# Altium PCB OR_TM2Space.PcbDoc (part 1 of 2) (continued)
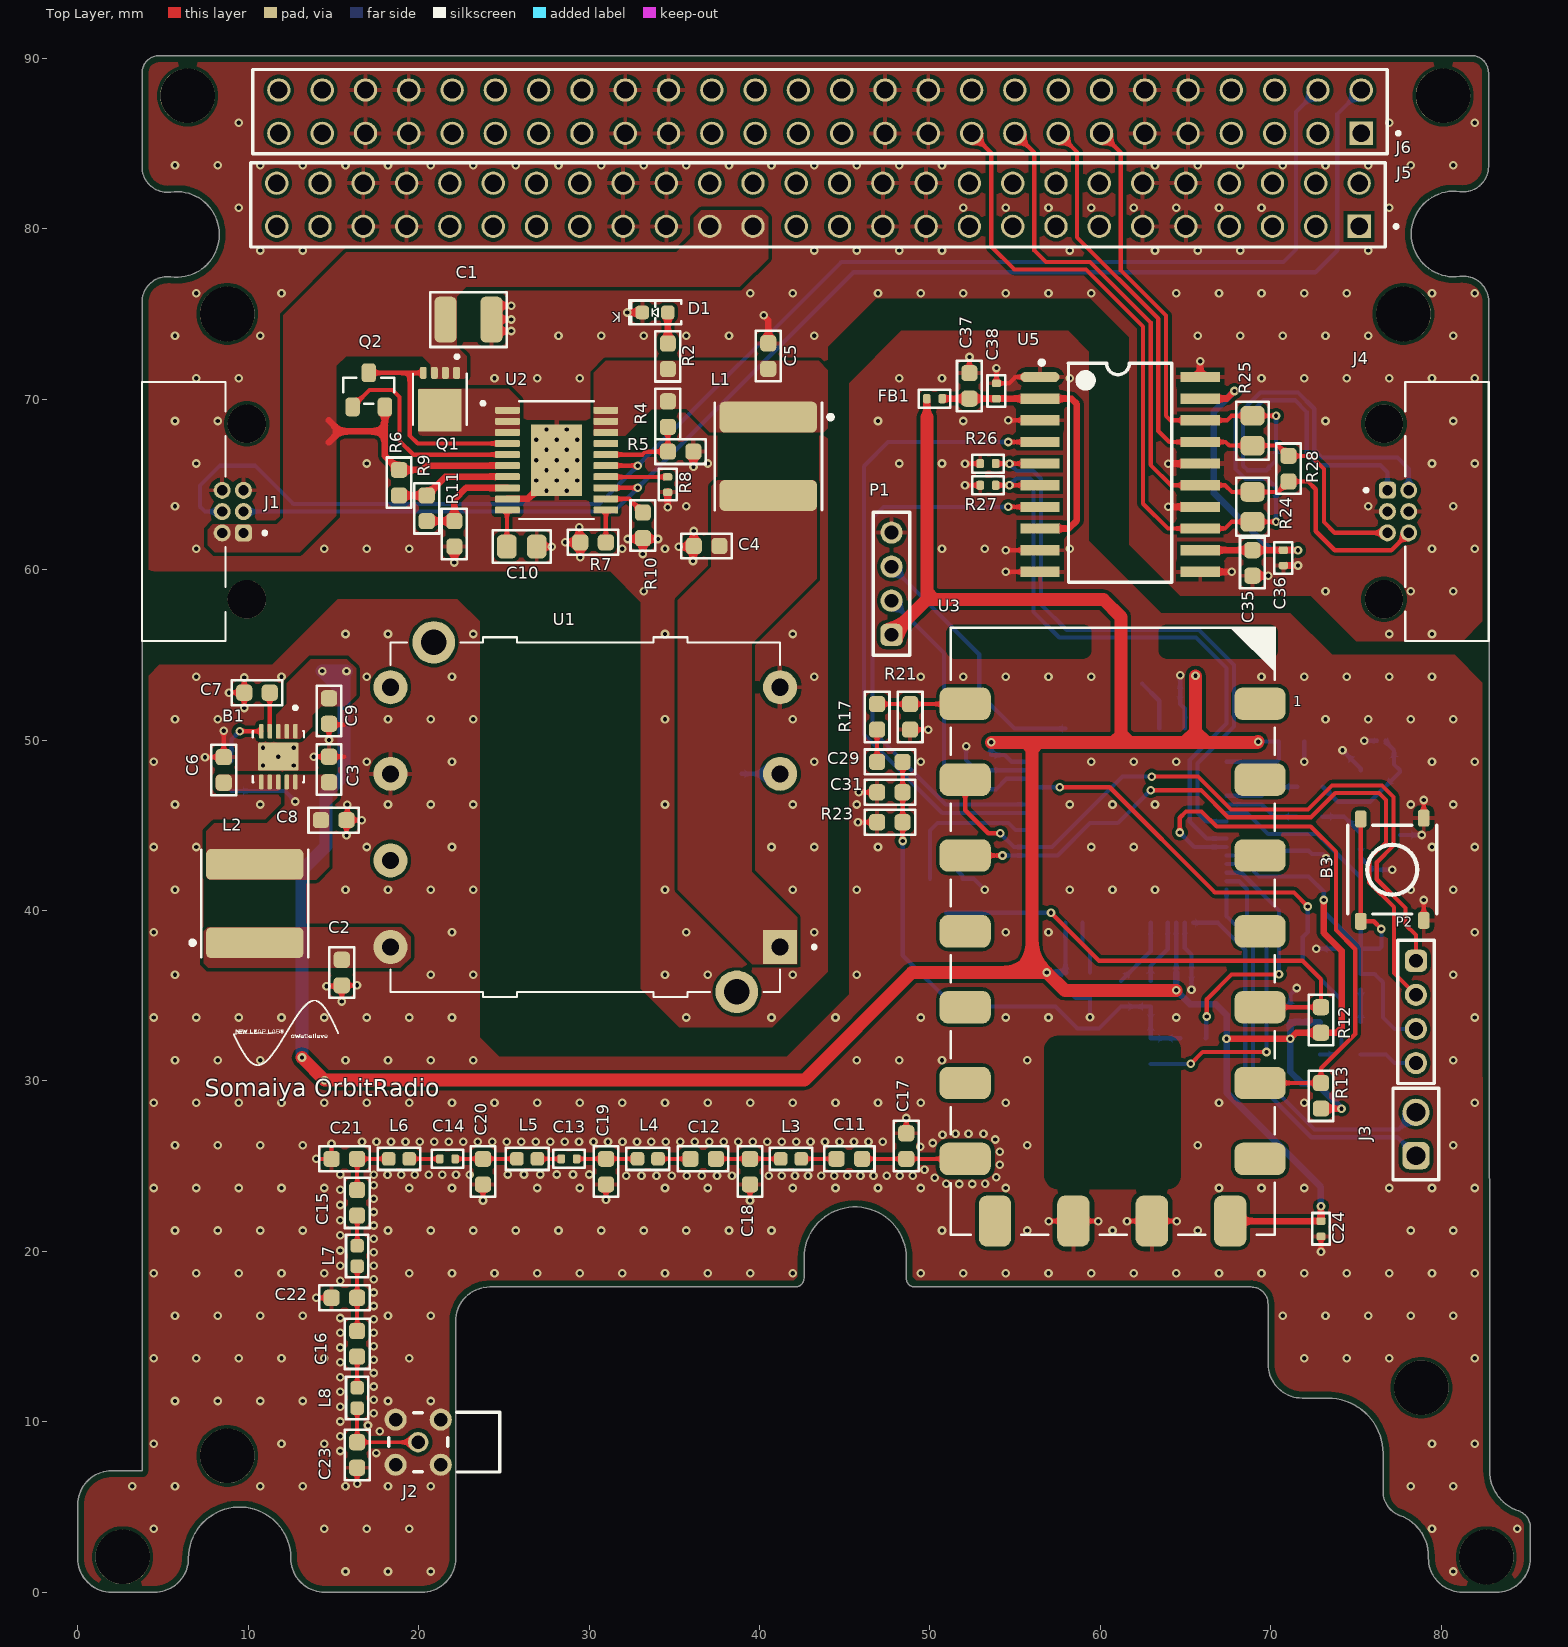
[diagram p0: Top Layer view]
## Part data (continued)
C29: library part GRM188R61E475KE11D, "Capacitor", Manufacturer_Name="Murata Electronics", Mouser Part Number=81-GRM188R61E475KE1D, Arrow Part Number=GRM188R61E475KE11D, Arrow Price/Stock=https://www.arrow.com/en/products/grm188r61e475ke11d/murata-manufacturing?region=nac, Datasheet Link=https://psearch.en.murata.com/capacitor/product/GRM188R61E475KE11%23.html, HEIGHT=0.9mm, Manufacturer_Part_Number=GRM188R61E475KE11D, Mouser Price/Stock=https://www.mouser.co.uk/ProductDetail/Murata-Electronics/GRM188R61E475KE11D?qs=eeBpzGFlv%252B9M0HqzMo%2FgYw%3D%3D
C31: library part C0603C104J5RACAUTO, "Capacitor", Manufacturer_Name=KEMET, Mouser Part Number=80-C0603C104J5RAUTO, Arrow Part Number=C0603C104J5RACAUTO, Arrow Price/Stock=https://www.arrow.com/en/products/c0603c104j5racauto/kemet-corporation?region=europe, Datasheet Link=https://content.kemet.com/datasheets/KEM_C1023_X7R_AUTO_SMD.pdf, HEIGHT=0.87mm, Manufacturer_Part_Number=C0603C104J5RACAUTO, Mouser Price/Stock=https://www.mouser.co.uk/ProductDetail/KEMET/C0603C104J5RACAUTO?qs=XYJIsZbdjSO3ULwa1DwJaA%3D%3D
C35 C37: library part 11868f565c42a9108669ba33697ecf6, "Ceramic Capacitor General Use 1uF ±10% 50V X7R 0603", Case Code (Imperial)=0603, Case Code (Metric)=1608, Dielectric=X7R, Max Operating Temperature=125°C, Min Operating Temperature=-55°C, Package Quantity=1, Tolerance=10%, Voltage Rating=50V, Capacitance=1uF, Case/Package=0603, Construction=Flat, Depth=0.8mm, Halogen Free="Halogen Free", HEIGHT=0.8mm, Length=1.6mm, Mount="Surface Mount", Packaging="Tape and Reel", Radiation Hardening=No, RoHS Compliant=Yes, Series=M, Termination=SMD/SMT, Thickness=0.037inch, Voltage Rating (DC)=50V, Width=0.031inch
C39 C40 C41 C42: library part C0603C101J5GACTU, "100pF Â±5% 50V Ceramic Capacitor C0G, NP0 0603 _1608 Metric_", Package="0603 Kemet", Availability=Unavailable, MF=KEMET, MP=C0603C101J5GACTU, Price=None, SnapEDA_Link=https://www.snapeda.com/parts/C0603C101J5GACTU/KEMET/view-part/281849/?ref=snap
D1: library part LED_0603_RED, "LED 0603 RED SMD"
FB1: library part 5f30dd21d616792df468990f7003faa, "FERRITE BEAD 120 OHM 0805 1LN", Case Code (Imperial)=0805, Case Code (Metric)=2012, Current Rating=800mA, DC Current=200mA, DC Resistance (DCR)=100mR, Frequency=100MHz, Max Current Rating=1A, Max Operating Temperature=125°C, Min Operating Temperature=-55°C, Package Quantity=1, Resistance=150mR, Tolerance=25%, Case/Package=0805, Core Material=Ferrite, DC Resistance-Max=100mR, Depth=1.25mm, HEIGHT=0.85mm, Impedance=120R, Lead Free="Lead Free", Length=2mm, Material=Steel, Max DC Current=200mA, Military Standard=Not, Number of Circuits=1, Number of Lines=1, Number of Pins=2, Packaging="Tape and Reel", Radiation Hardening=No, REACH SVHC="No SVHC", Series=BLM21A, Shielding=Unshielded, Termination=SMD/SMT, Test Frequency=100MHz, Width=1.25mm
J1 J4: "Connector", Manufacturer_Name=Harwin, Mouser Part Number=855-G125MH1065M4PM4P, Datasheet Link=https://content.harwin.com/m/667f1be9427fb768/original/DRG-02921-Technical-Drawing-Datasheet-G125-MH1XX05M4P-pdf.pdf, HEIGHT=5.25mm, Manufacturer_Part_Number=G125-MH10605M4P, Mouser Price/Stock=https://www.mouser.co.uk/ProductDetail/Harwin/G125-MH10605M4P?qs=vHuUswq2%252BswF07IXFR1W6A%3D%3D
J2: "Body Features: Cable Connector Orientation Straight", Manufacturer_Name="TE Connectivity", Mouser Part Number=N/A, Datasheet Link=https://www.te.com/commerce/DocumentDelivery/DDEController?Action=srchrtrv&DocNm=CONMMCX001&DocType=Data%20Sheet&DocLang=English&PartCntxt=CONMMCX001&DocFormat=pdf, Geometry.Height=4.7mm, Manufacturer_Part_Number=CONMMCX001, Mouser Price/Stock=https://www.mouser.co.uk/ProductDetail/TE-Connectivity/CONMMCX001?qs=3Rah4i%252BhyCEhpwEdFc1TTw%3D%3D
J3: "2 pins, 1 row, straight, gold plating", Package=None, Check_prices=https://www.snapeda.com/parts/61300211121/Wurth+Electronics/view-part/?ref=eda, MF="Wurth Electronics", MP=61300211121, SnapEDA_Link=https://www.snapeda.com/parts/61300211121/Wurth+Electronics/view-part/?ref=snap
J5 J6: "52 Position Elevated Socket Connector Through Hole", Package=None, Availability=Unavailable, MF=Samtec, MP=ESQ-126-39-G-D, Price=None, SnapEDA_Link=https://www.snapeda.com/parts/ESQ-126-39-G-D/Samtec%20Inc./view-part/490181/?ref=snap
L1 L2: library part CMP-1396-00036-2, Ambient Temperature Range High=110°C, Ambient Temperature Range Low=-40°C, Case/Package=Nonstandard, Current Rating=1.5A, DC Resistance (DCR)=165mΩ, Inductance=100µH, Inductance Tolerance=20%, Max Operating Temperature=150°C, Resistance=198mΩ, Saturation Current=1.8A, Self Resonant Frequency=5.9MHz, Test Frequency=100kHz, Composition=Wirewound, Core Material=Ferrite, Depth=10mm, HEIGHT=5mm, Height - Seated (Max)=5.0038mm, Length=10mm, Max DC Current=1.5A, Min Operating Temperature=-40°C, Mount="Surface Mount", NexarPartId=22866940, Number of Pins=2, Packaging=Digi-Reel®, REACH SVHC=Unknown, RMS Current (Irms)=1.5A, ROHS=Compliant, Series Resistance=198mΩ, Shielding=Shielded, Termination=SMD/SMT, Tolerance=20%, Width=10mm
L3 L4 L5 L6 L7 L8: library part LQW18AN51NG00D, "Murata LQQ18A Series Wire-wound SMD Inductor with a Ferrite Core, 0.051 uH +/-2% 370mA Idc Q:38", Manufacturer_Name="Murata Electronics", Mouser Part Number=81-LQW18AN51NG00D, Datasheet Link=https://search.murata.co.jp/Ceramy/image/img/P02/JELF243A-0024.pdf, Geometry.Height=1mm, Manufacturer_Part_Number=LQW18AN51NG00D, Mouser Price/Stock=https://www.mouser.co.uk/ProductDetail/Murata-Electronics/LQW18AN51NG00D?qs=W2MaHu96STYTjVpM0YGYyg%3D%3D
P1 P2: library part CMP-1502-01064-3, Color=Black, Contact Resistance=20mΩ, Current Rating=3A, Max Operating Temperature=105°C, Min Operating Temperature=-40°C, Operating Supply Voltage=250V, Connector Type="Male Pin", Contact Material=Copper, Contact Mating Length=5.9944mm, Contact Plating=Gold, Gender=Male, HEIGHT=8.89mm, Lead Free="Lead Free", Lead Pitch=2.54mm, Mount="Through Hole", NexarPartId=32855522, Number of Contacts=4, Number of Pins=4, Number of Positions=4, Number of Rows=1, Orientation=Vertical, Packaging=Bulk, Pitch=2.54mm, REACH SVHC=Unknown, ROHS=Compliant, Termination=Solder, Voltage Rating=250V
Q1: library part 7382af88e928fdc71488234cfaaf11c, "MOSFET N-CH 100V 50A 8VSON", Continuous Drain Current (ID)=50A, Drain to Source Voltage (Vdss)=100V, Gate to Source Voltage (Vgs)=20V, Input Capacitance=1.68nF, Max Operating Temperature=150°C, Max Power Dissipation=2.8W, Min Operating Temperature=-55°C, Contact Plating=Copper, Fall Time=3ns, Lead Free="Contains Lead", Mount="Surface Mount", Number of Pins=8, Packaging=Rail/Tube, Rds On Max=14.5mR, Rise Time=3ns, RoHS Compliant=Yes, Turn-Off Delay Time=10ns, Turn-On Delay Time=5ns
Q2: library part 3b9c635fedb024a5347a57b145af9cc, "MOSFET N-CH 60V 115MA SOT23-3", Case/Package=SOT-23, Continuous Drain Current (ID)=115mA, Drain to Source Breakdown Voltage=70V, Drain to Source Resistance=7.5R, Drain to Source Voltage (Vdss)=60V, Gate to Source Voltage (Vgs)=20V, Input Capacitance=50pF, Max Operating Temperature=150°C, Max Power Dissipation=300mW, Min Operating Temperature=-55°C, Package Quantity=3000, Power Dissipation=540mW, Threshold Voltage=2.5V, Contact Plating=Tin, Current Rating=115mA, Dual Supply Voltage=60V, Element Configuration=Single, Fall Time=5.6ns, HEIGHT=1mm, Lead Free="Lead Free", Length=2.9mm, Mount="Surface Mount", Nominal Vgs=2.5V, Number of Channels=1, Number of Elements=1, Number of Pins=3, On-State Resistance=7.5R, Packaging="Tape and Reel", Radiation Hardening=No, Rds On Max=7.5R, REACH SVHC="No SVHC", Rise Time=3ns, Termination=SMD/SMT, Turn-Off Delay Time=11ns, Turn-On Delay Time=7ns, Voltage=60V, Voltage Rating (DC)=60V, Weight=0.000282oz, Width=1.3mm
R1: library part res1, "Resistor", Published=8-Jun-2000, Publisher="Altium Limited", Revision="July-2002: Re-released for DXP Platform."
R2 R4 R5 R6 R7 R8 R9 R10 R11 R28 R29: library part RES_0603, "Resistor SMD 0603"
R3: library part RES_0805, "Resistor SMD 0805"
R12 R13: "10 kOhms Â±1% 0.1W, 1/10W Chip Resistor 0603 (1608 Metric) Thick Film", Package="1608 Rohm Semiconductor", Availability=Unavailable, MF="Vishay Dale", MP=CRCW060310K0FKEAC, Price=None, SnapEDA_Link=https://www.snapeda.com/parts/CRCW060310K0FKEAC/Vishay%20Dale/view-part/510932/?ref=snap
R14: library part RES_0402, "Resistor SMD 0402"
R15 R30 R31: library part CRCW060310K0FKEA, "Resistor", Manufacturer_Name=Vishay, Mouser Part Number=71-CRCW0603-10K-E3, Arrow Part Number=CRCW060310K0FKEA, Arrow Price/Stock=https://www.arrow.com/en/products/crcw060310k0fkea/vishay?region=europe, Datasheet Link=http://www.vishay.com/docs/20035/dcrcwe3.pdf, HEIGHT=0.5mm, Manufacturer_Part_Number=CRCW060310K0FKEA, Mouser Price/Stock=https://www.mouser.co.uk/ProductDetail/Vishay-Dale/CRCW060310K0FKEA?qs=pAO1Z172M84BVnhDjtnsoQ%3D%3D
R16: library part CRCW06034K70FKEA, "Resistor", Manufacturer_Name=Vishay, Mouser Part Number=71-CRCW0603-4.7K-E3, Arrow Part Number=CRCW06034K70FKEA, Arrow Price/Stock=https://www.arrow.com/en/products/crcw06034k70fkea/vishay?region=nac, Datasheet Link=http://www.vishay.com/docs/20035/dcrcwe3.pdf, HEIGHT=0.5mm, Manufacturer_Part_Number=CRCW06034K70FKEA, Mouser Price/Stock=https://www.mouser.co.uk/ProductDetail/Vishay-Dale/CRCW06034K70FKEA?qs=4E3O%252BEEZcdLDG%2FSk4GmlWQ%3D%3D
R17: library part CRCW0603100KFKEA, "Resistor", Manufacturer_Name=Vishay, Mouser Part Number=71-CRCW0603-100K-E3, Arrow Part Number=CRCW0603100KFKEA, Arrow Price/Stock=https://www.arrow.com/en/products/crcw0603100kfkea/vishay?region=nac, Datasheet Link=http://www.vishay.com/docs/20035/dcrcwe3.pdf, HEIGHT=0.5mm, Manufacturer_Part_Number=CRCW0603100KFKEA, Mouser Price/Stock=https://www.mouser.co.uk/ProductDetail/Vishay-Dale/CRCW0603100KFKEA?qs=6dqgS%252BKntICWHMMdIzt5%2FQ%3D%3D
R18 R22: library part Res1, "Resistor", Published=8-Jun-2000, Publisher="Altium Limited", Revision="July-2002: Re-released for DXP Platform."
R19: library part CRCW06032K20JNEAHP, "Resistor", Manufacturer_Name=Vishay, Mouser Part Number=71-CRCW06032K20JNEAH, Arrow Part Number=CRCW06032K20JNEAHP, Arrow Price/Stock=https://www.arrow.com/en/products/crcw06032k20jneahp/vishay, Datasheet Link=http://www.vishay.com/docs/20043/crcwhpe3.pdf, HEIGHT=0.55mm, Manufacturer_Part_Number=CRCW06032K20JNEAHP, Mouser Price/Stock=https://www.mouser.co.uk/ProductDetail/Vishay-Dale/CRCW06032K20JNEAHP/?qs=k2%2FDWSARqgFWsVO90R5J%2FQ%3D%3D
R20 R21: library part CRCW06031K00FKEAHP, "Resistor", Manufacturer_Name=Vishay, Mouser Part Number=71-CRCW06031K00FKEAH, Arrow Part Number=CRCW06031K00FKEAHP, Arrow Price/Stock=https://www.arrow.com/en/products/crcw06031k00fkeahp/vishay?region=nac, Datasheet Link=https://componentsearchengine.com/Datasheets/2/CRCW06031K00FKEAHP.pdf, HEIGHT=0.55mm, Manufacturer_Part_Number=CRCW06031K00FKEAHP, Mouser Price/Stock=https://www.mouser.co.uk/ProductDetail/Vishay-Dale/CRCW06031K00FKEAHP?qs=FlFvgi4rxBx1%252B5DAse78lQ%3D%3D
R23: library part CRCW0603270RFKEA, "Resistor", Manufacturer_Name=Vishay, Mouser Part Number=71-CRCW0603-270-E3, Arrow Part Number=CRCW0603270RFKEA, Arrow Price/Stock=https://www.arrow.com/en/products/crcw0603270rfkea/vishay, Datasheet Link=http://www.vishay.com/docs/20035/dcrcwe3.pdf, HEIGHT=0.5mm, Manufacturer_Part_Number=CRCW0603270RFKEA, Mouser Price/Stock=https://www.mouser.co.uk/ProductDetail/Vishay-Dale/CRCW0603270RFKEA?qs=pbofycSuseMg1CwiubILXA%3D%3D
R24 R25: library part RES-2, "Chip Resistor, 120 Ohm, +/- 1%, 0.125 W, -55 to 155 degC, 0805 (2012 Metric), RoHS, Tape and Reel", Manufacturer=Panasonic, Max Operating Temperature="155 degC", Min Operating Temperature="-55 degC", Package Quantity=5000, Voltage Rating="150 V", ComponentLink1Description="Manufacturer URL", ComponentLink1URL=http://www.panasonic.com/, ComponentLink2Description=Datasheet, ComponentLink2URL=http://industrial.panasonic.com/cdbs/www-data/pdf/RDA0000/AOA0000C86.pdf, DatasheetVersion=04/2015, HEIGHT="0.6 mm", Length="2 mm", Mount="Surface Mount", Mounting Technology="Surface Mount", PackageDescription="2-Pin Surface Mount Device, Body 2 x 1.25 mm", PackageReference=0805, Packaging="Tape and Reel", Pins=2, REACH SVHC=Yes, RoHSCompliant=true
R26 R27: library part RES-2, "Chip Resistor, 10 KOhm, +/- 1%, 0.1 W, -55 to 155 degC, 0402 (1005 Metric), RoHS, Tape and Reel", Case Code (Imperial)=0402, Case Code (Metric)=1005, Manufacturer=Panasonic, Max Operating Temperature=155degC, Max Power Dissipation=100mW, Min Operating Temperature=-55degC, Package Description="2-Pin Surface Mount Device, Body 1 x 0.5 mm", Package Quantity=1, Package Reference=402, Resistance=10KOhm, Temperature Coefficient=100ppm\/degreesC, Tolerance=1%, Voltage Rating=50V, Case\/Package=0402, Composition=ThickFilm, Contact Plating=Tin, Datasheet URL=https://industrial.panasonic.com/cdbs/www-data/pdf/RDA0000/AOA0000C304.pdf, Datasheet Version=02/2017, Depth=0.5mm, HEIGHT=0.35mm, Lead Free=LeadFree, Length=1mm, Manufacturer URL=http://www.panasonic.com/, Military Standard=Not, Mount=SurfaceMount, Mounting Technology=SurfaceMount, Number of Pins=2, Number of Terminations=2, Packaging=TapeandReel, Power Rating=100mW, Radiation Hardening=No, REACH SVHC=NoSVHC, RoHSCompliant=True, Termination=SMD/SMT, Voltage Rating (DC)=50V, Width=0.02inch
T1: library part 2N7000-G, "MOSFET (N-Channel)", Manufacturer_Name=Microchip, Mouser Part Number=689-2N7000-G, Arrow Part Number=2N7000-G, Arrow Price/Stock=https://www.arrow.com/en/products/2n7000-g/microchip-technology?region=nac, Datasheet Link=http://www.microchip.com/mymicrochip/filehandler.aspx?ddocname=en571380, HEIGHT=5.334mm, Manufacturer_Part_Number=2N7000-G, Mouser Price/Stock=https://www.mouser.co.uk/ProductDetail/Microchip-Technology/2N7000-G?qs=yU2N9dt%252BrfnyR%2FOhNomgZw%3D%3D
U1: "No Description Available", Mfr_Name=TDK, RefDes=RefDes, Type="Power Supplies Board Mount"
U2: library part 3aa6c8470eea581a3a5f71473fd1f1f, "4.5V - 60V 6A 29MOHM EFUSE"
U3: library part DRA818V, "UHF Band Voice Transceiver Module", Package=Package, Availability=Unavailable, Check_prices=https://www.snapeda.com/parts/DRA818V/DORJI/view-part/2654524/?ref=eda, MF=DORJI, MP=DRA818V, Price=None, SnapEDA_Link=https://www.snapeda.com/parts/DRA818V/DORJI/view-part/2654524/?ref=snap
U4: library part 340a9547a0ab8213f3a8fa70aee32e0, "IC 2.93V SUPPLY MONITOR SOT23-5", Ambient Temperature Range High=+85°C, Ambient Temperature Range Low=-40°C, Manufacturer="Texas Instruments", Manufacturer Part Number=TPS3828-33DBVT, Max Supply Voltage=5.5V, Min Supply Voltage=1.1V, Nominal Supply Current=15uA, Package=DBV0005A, Temperature="-40°C to +85°C", Threshold Voltage=2.93V, Automotive=No, Category=IC, ComponentLink2Description=Datasheet, ComponentLink2URL=http://www.ti.com/lit/ds/symlink/tps3828.pdf, Device Class L1="Integrated Circuits (ICs)", Device Class L2="Power Management ICs", Device Class L3="Voltage Supervisors", Digikey Description="IC 2.93V SUPPLY MONITOR SOT23-5", HEIGHT=1.45mm, Lead Free=Yes, Mouser Description="Supervisory Circuits 2.93V Monitor", Number of Outputs=1, Number Of Rails Monitored=1, Octopart=https://octopart.com/tps3828-33dbvt-texas+instruments-505920, Reset Type="Active Low", ROHS=TRUE, Standoff Height=0mm, Temperature Range High=+85°C, Temperature Range Low=-40°C, Watchdog Timer=true
U5: "Isolated Full Duplex RS485 Transreciver"
X1: library part CRYSTAL, "Crystal"

## Free pads (board coordinates)
  round 3.2 hole 3.2 unplated: ""(2.635,2.072) ""(6.445,87.797) ""(8.775,8) ""(8.775,74.997) ""(77.781,74.997) ""(78.831,11.999) ""(80.105,87.797) ""(82.642,2.071)

## Via types
v1: diameter 0.508, hole 0.254, Top Layer to Bottom Layer, tented both sides, 666 vias

## Nets (pads, with @x,y where several pads share a name; then routed paths per layer and width w, separated by ;. In a path a pad name is that pad's centre, name@x,y a point inside that pad or via, vN(x,y) a via of type N, cw(c..) or ccw(c..) an arc to the next point about the centre after c; other vN are vias at no path point)
5V_E: C1.2 J1.1 J1.4 J5.29 J5.31 Q1.1 Q1.2 Q1.3 Q2.2 R6.2 U2.6 | length 15.6
  Top Layer w0.381: 14.729,67.459 15.378,68.108 ; 14.729,68.757 15.378,68.108 ; 18.026,68.456 17.678,68.108 ; Q2.2@18.026,69.544 18.026,67.76 ; U2.6@25.214,66.099 20.444,66.099 20.194,65.849 R6.2@18.849,65.849 18.026,66.672 18.026,67.76 ; 15.378,68.108 17.678,68.108 ; 17.678,68.108 18.026,67.76
5V_ISO: B1.9 B1.10 C3.1 C8.1 L2.2 R3.1 | length 4
  Bottom Layer w0.246: R3.1@9.019,47.013 11.301,47.013 12.153,47.013 v1(12.769,46.397)
+3V3: B1.1 B1.2 B1.3 B2.1 B2.7 B2.13 B2.19 B2.32 B2.48 B2.64 B3.3 B3.4 C9.1 C24.2 C25.1 C26.1 C28.1 C32.1 C33.2 C34.2 C40.1 C41.1 C42.1 FB1.1 P1.1 P2.3 R12.1 R13.1 R14.2 U3.8 U4.5 | length 264.6
  Top Layer w0.246: B3.3@75.273,45.368 B3.4@75.273,39.368 76.037,39.368 v1(76.485,38.919)
  Top Layer w0.381: 49.819,68.954 FB1.1@49.819,70.029 ; v1(67.401,32.476) 67.403,32.474 71.137,32.474 v1(71.139,32.472) 71.495,32.828 R12.1@72.942,32.828 73.852,32.828 74.149,33.125 74.149,37.64 73.102,38.687 v1(73.102,40.615) ; U3.8@67.619,21.778 C24.2@72.942,21.778 v1(72.942,22.643) ; R13.1@72.942,28.378 v1(74.149,28.378)
  Top Layer w0.762: v1(13.157,31.375) v1(14.482,30.05) 42.639,30.05 48.951,36.363 55.141,36.363 ; P1.1@47.747,56.175 49.819,58.247 ; 49.819,68.954 49.819,58.697 ; v1(53.6,49.862) 55.605,49.862 ; 61.2,50.363 61.2,57.228 60.181,58.247 50.269,58.247 ; v1(64.451,35.313) 57.911,35.313 v1(56.861,36.363) ; v1(65.581,53.769) 65.581,50.49 ; v1(69.253,49.909) 69.206,49.862 66.209,49.862 ; 49.819,58.247 50.269,58.247 ; 49.819,58.247 49.819,58.697 ; 49.819,58.697 50.269,58.247 ; 55.141,36.363 v1(56.861,36.363) ; 55.141,36.363 56.001,37.223 ; 55.605,49.862 56.001,49.466 ; 55.605,49.862 56.397,49.862 ; 56.001,37.223 56.001,49.466 ; 56.001,37.223 v1(56.861,36.363) ; 56.001,49.466 56.397,49.862 ; 56.397,49.862 60.789,49.862 ; 60.789,49.862 61.701,49.862 ; 60.789,49.862 61.245,50.318 61.701,49.862 ; 61.701,49.862 64.953,49.862 ; 64.953,49.862 65.581,50.49 ; 64.953,49.862 66.209,49.862 ; 65.581,50.49 66.209,49.862
  Bottom Layer w0.246: B2.13@67.401,42.728 68.588,42.728 69.313,42.003 C40.1@70.574,42.003 C41.1@72.213,42.003 73.102,41.114 v1(73.102,40.615) 73.102,39.927 C32.1@75.276,37.753 ; B2.7@67.401,45.728 68.603,45.728 69.844,44.488 72.721,44.488 75.276,41.933 C32.1@75.276,37.753 ; B2.1@67.401,48.728 70.331,48.728 70.475,48.872 C42.1@70.475,49.909 v1(69.253,49.909) ; v1(76.485,38.919) 76.485,37.873 76.366,37.753 C32.1@75.276,37.753 ; P2.3@78.513,33.05 77.248,33.05 76.576,33.722 76.576,35.788 76.237,36.127 76.093,36.271 R14.2@75.276,36.271 C32.1@75.276,37.753
  Bottom Layer w0.254: v1(53.6,49.862) C33.2@53.6,49.128 54.392,49.128 54.792,48.728 B2.48@56.001,48.728 ; C34.2@57.951,36.363 B2.32@57.951,39.278 ; C28.1@64.451,36.363 B2.19@64.451,39.278 ; B2.64@65.451,50.678 65.451,51.748 65.581,51.878 C26.1@65.581,52.771 v1(65.581,53.769)
  Bottom Layer w0.381: v1(56.861,36.363) C34.2@57.951,36.363 ; C28.1@64.451,36.363 v1(64.451,35.313) 65.251,34.512 66.758,34.512 67.401,33.869 v1(67.401,32.476) 67.401,29.318 72.942,23.777 v1(72.942,22.643) ; U4.5@72.876,33.45 C25.1@71.147,33.45 71.143,33.446 71.143,32.476 v1(71.139,32.472) 71.139,30.536 71.797,29.878 72.649,29.878 v1(74.149,28.378)
  Bottom Layer w0.762: v1(14.482,30.05) v1(13.157,31.375) 13.157,42.359 14.568,43.77 14.568,46.861 15.623,47.916 15.623,52.764 ; 15.623,52.764 15.623,53.902 v1(15.768,54.047) v1(14.34,54.047) 15.623,52.764
Ant: C11.1 C17.2 U3.12 | length 6.1
  Top Layer w0.224: C11.1@46.019,25.428 C17.2@48.612,25.428 U3.12@52.069,25.428
Fuse_FLT: J1.5 J6.04 U2.15 | length 86.3
  Top Layer w0.254: U2.15@30.984,66.099 v1(32.855,66.099)
  Bottom Layer w0.246: J1.5@8.475,63.402 7.466,63.402 7.175,63.693 7.175,64.925 8.349,66.099 10.401,66.099 12.652,63.848 30.605,63.848 v1(32.855,66.099) 44.802,78.046 70.737,78.046 71.475,78.784 71.475,86.847 J6.04@72.764,88.136
Fuse_SNT: J1.2 J6.02 U2.13 | length 82.4
  Top Layer w0.254: U2.13@30.984,64.799 v1(32.855,64.799)
  Bottom Layer w0.246: J1.2@9.725,63.402 31.458,63.402 v1(32.855,64.799) 45.498,77.442 72.608,77.442 73.9,78.734 73.9,86.732 J6.02@75.304,88.136
IGND: C1.1 C4.2 C5.2 C10.1 C35.2 C36.2 D1.2 J1.3 J1.6 J4.2 J4.5 J5.09 J5.10 J5.11 J5.12 J5.21 J5.22 J5.23 J5.24 J5.33 J5.34 J5.35 J5.36 J5.45 J5.46 J5.47 J5.48 J6.09 J6.10 J6.11 J6.12 J6.21 J6.22 J6.23 J6.24 J6.33 J6.34 J6.35 J6.36 J6.45 J6.46 J6.47 J6.48 R1.1 R5.1 R7.1 R8.1 R10.1 R11.1 U1.3 U2.9 U2.21 U5.11 U5.14 U5.16 U5.20 | length 30
  Top Layer w0.381: v1(22.099,60.417) R11.1@22.099,61.349 ; C1.1@24.497,73.996 v1(25.429,73.996) ; C1.1@24.497,74.678 v1(25.429,74.678) ; C1.1@24.497,75.488 v1(25.429,75.488) ; U2.9@25.214,64.149 25.229,64.163 26.439,64.163 28.099,65.824 v1(28.099,66.424) ; C10.1@26.878,61.349 v1(27.81,61.349) ; v1(28.603,61.599) R7.1@29.534,61.599 ; R7.1@29.434,61.549 v1(29.434,62.48) ; v1(29.484,60.717) R7.1@29.484,61.649 ; v1(32.243,75.088) D1.2@33.174,75.088 ; v1(32.278,61.799) v1(34.041,61.799) ; v1(33.16,60.917) R10.1@33.16,61.849 ; v1(34.612,63.655) R8.1@34.612,64.586 ; v1(35.266,61.338) C4.2@36.198,61.338 ; v1(36.098,60.507) C4.2@36.098,61.438 ; v1(36.124,66.042) R5.1@36.124,66.974 ; C4.2@36.148,61.338 v1(36.148,62.269) ; v1(40.253,74.922) 40.253,74.887 40.516,74.624 C5.2@40.516,73.227 ; v1(63.978,63.679) U5.14@65.855,63.679 ; v1(63.978,66.219) U5.16@65.855,66.219 ; U5.11@65.855,59.869 v1(67.701,59.869) ; U5.20@65.855,71.299 v1(65.855,72.226) ; C35.2@68.919,59.639 v1(69.852,59.639) ; C36.2@70.734,60.239 v1(71.597,60.239)
  other v1: 35.707,33.723 40.707,33.723 34.457,36.223 36.957,36.223 41.957,36.223 35.707,38.723 43.207,38.723 34.457,41.223 41.957,41.223 40.707,43.723 43.207,43.723 34.457,46.223 41.957,46.223 43.207,48.723 34.457,51.223 41.957,51.223 43.207,53.723 34.457,56.223 41.957,56.223 76.957,56.223 79.457,56.223 33.207,58.723 73.207,58.723 78.207,58.723 80.707,58.723 6.957,61.223 14.457,61.223 16.957,61.223 19.457,61.223 31.957,61.223 34.457,61.223 79.457,61.223 81.957,61.223 5.707,63.723 35.707,63.723 75.707,63.723 80.707,63.723 27.499,64.624 28.699,64.624 26.899,65.224 28.099,65.224 29.299,65.224 27.499,65.824 28.699,65.824 6.957,66.223 16.957,66.223 36.957,66.223 79.457,66.223 81.957,66.223 26.899,66.424 29.299,66.424 27.499,67.024 28.699,67.024 26.899,67.624 28.099,67.624 29.299,67.624 27.499,68.224 28.699,68.224 5.707,68.723 8.207,68.723 73.207,68.723 80.707,68.723 6.957,71.223 9.457,71.223 24.457,71.223 26.957,71.223 29.457,71.223 69.457,71.223 71.957,71.223 74.457,71.223 76.957,71.223 79.457,71.223 81.957,71.223 5.707,73.723 10.707,73.723 28.207,73.723 30.707,73.723 33.207,73.723 35.707,73.723 38.207,73.723 43.207,73.723 65.707,73.723 68.207,73.723 70.707,73.723 73.207,73.723 75.707,73.723 80.707,73.723 6.957,76.223 11.957,76.223 39.457,76.223 41.957,76.223 46.957,76.223 49.457,76.223 51.957,76.223 54.457,76.223 56.957,76.223 59.457,76.223 64.457,76.223 66.957,76.223 69.457,76.223 71.957,76.223 74.457,76.223 79.457,76.223 81.957,76.223 10.707,78.723 13.207,78.723 43.207,78.723 45.707,78.723 48.207,78.723 50.707,78.723 58.207,78.723 63.207,78.723 65.707,78.723 68.207,78.723 75.707,78.723 9.457,81.223 51.957,81.223 54.457,81.223 56.957,81.223 59.457,81.223 61.957,81.223 64.457,81.223 66.957,81.223 69.457,81.223 76.957,81.223 5.707,83.723 8.207,83.723 10.707,83.723 13.207,83.723 15.707,83.723 18.207,83.723 20.707,83.723 23.207,83.723 25.707,83.723 28.207,83.723 30.707,83.723 33.207,83.723 35.707,83.723 38.207,83.723 40.707,83.723 43.207,83.723 45.707,83.723 48.207,83.723 50.707,83.723 63.207,83.723 65.707,83.723 68.207,83.723 70.707,83.723 73.207,83.723 75.707,83.723 78.207,83.723 80.707,83.723 9.457,86.223 76.957,86.223 81.957,86.223
MICIN_UHF: R17.2 R21.1 U3.18 | length 5.2
  Top Layer w0.246: R17.2@46.899,52.111 R21.1@48.835,52.111 52.052,52.111 U3.18@52.069,52.128
MR: P2.4 U4.3 | length 3.5
  Top Layer w0.246: P2.4@78.488,31.025 P2.4@78.513,31.05
  Bottom Layer w0.246: U4.3@75.276,31.55 76.764,31.55 77.264,31.05 P2.4@78.513,31.05
NetB1_4: B1.4 C7.1 | length 2.3
  Top Layer w0.246: B1.4@11.269,50.513 C7.1@11.269,52.778
NetB1_5: B1.5 R3.2 | length 3.2
  Top Layer w0.246: v1(9.5,50.525) 9.506,50.519 10.763,50.519 B1.5@10.769,50.513
  Bottom Layer w0.246: R3.2@9.019,48.763 9.019,50.044 v1(9.5,50.525)
NetB1_6: B1.6 B1.7 B1.8 C6.1
NetB2_5: B2.5 R18.1 | length 4.4
  Bottom Layer w0.246: B2.5@67.401,46.728 69.453,46.728 69.983,47.258 R18.1@71.544,47.258
NetB2_6: B2.6 R22.1 | length 4.4
  Bottom Layer w0.246: B2.6@67.401,46.228 69.465,46.228 70.187,45.506 R22.1@71.519,45.506
NetB2_40: B2.40 R30.2 T1.1 | length 9.2
  Bottom Layer w0.246: T1.1@50.009,41.867 R30.2@50.009,43.578 50.009,44.684 50.454,45.129 54.612,45.129 55.013,44.728 B2.40@56.001,44.728
NetB2_60: B2.60 R31.2 | length 3
  Bottom Layer w0.246: R31.2@62.451,53.309 63.451,52.309 B2.60@63.451,50.678
NetC2_1: C2.1 L2.1 U1.7
NetC4_1: C4.1 L1.2 U1.1
NetC10_2: C10.2 U2.10 | length 2.2
  Top Layer w0.246: C10.2@25.178,61.349 25.178,63.463 U2.10@25.214,63.499
NetC11_2: C11.2 L3.1 | length 2.1
  Top Layer w0.224: L3.1@42.444,25.428 C11.2@44.519,25.428
NetC12_1: C12.1 C18.2 L3.2 | length 3.8
  Top Layer w0.224: C12.1@37.444,25.428 C18.2@39.444,25.428 L3.2@41.244,25.428
NetC12_2: C12.2 L4.1 | length 1.9
  Top Layer w0.224: L4.1@34.044,25.428 C12.2@35.944,25.428
NetC13_1: C13.1 C19.2 L4.2 | length 3.6
  Top Layer w0.224: C13.1@29.269,25.428 C19.2@30.994,25.428 L4.2@32.844,25.428
NetC13_2: C13.2 L5.1 | length 1.4
  Top Layer w0.224: L5.1@26.969,25.428 C13.2@28.369,25.428
NetC14_1: C14.1 C20.2 L5.2 | length 3.6
  Top Layer w0.224: C14.1@22.145,25.428 C20.2@23.779,25.428 L5.2@25.769,25.428
NetC14_2: C14.2 L6.1 | length 1.8
  Top Layer w0.224: L6.1@19.45,25.428 C14.2@21.245,25.428
NetC15_1: C15.1 C21.2 L6.2 | length 3.7
  Top Layer w0.224: C15.1@16.394,23.603 C21.2@16.394,25.428 L6.2@18.25,25.428
NetC15_2: C15.2 L7.1 | length 1.8
  Top Layer w0.224: L7.1@16.394,20.328 C15.2@16.394,22.103
NetC16_1: C16.1 C22.2 L7.2 | length 3.8
  Top Layer w0.224: C16.1@16.394,15.328 C22.2@16.394,17.278 L7.2@16.394,19.128
NetC16_2: C16.2 L8.1 | length 1.8
  Top Layer w0.224: L8.1@16.394,12.003 C16.2@16.394,13.828
NetC27_1: C27.1 R18.2 X1.1 | length 7.8
  Bottom Layer w0.246: R18.2@73.044,47.258 73.924,46.378 75.823,46.378 77.576,48.131 X1.1@77.576,48.231 77.23,48.577 77.23,49.401 76.726,49.905 C27.1@76.726,49.955
NetC29_1: C29.1 C31.1 R15.2 R16.2 R19.2 R20.2 R23.1 | length 31.8
  Top Layer w0.246: v1(48.399,44.081) R23.1@48.399,45.181 C31.1@48.399,46.935 C29.1@48.399,48.718
  Bottom Layer w0.246: v1(48.399,44.081) 48.399,37.372 51.41,34.36 57.37,34.36 58.646,33.084 59.925,33.084 R20.2@61.201,34.36 61.202,34.362 R19.2@62.951,34.363 R19.2@62.951,34.363 ; R16.2@62.95,32.5 R15.2@64.681,32.5 ; R16.2@62.95,32.5 R19.2@62.951,34.363
NetC29_2: C29.2 R17.1 | length 1.9
  Top Layer w0.246: C29.2@46.899,48.718 R17.1@46.899,50.611
NetC30_1: C30.1 R22.2 X1.3 | length 5.1
  Bottom Layer w0.246: R22.2@73.019,45.506 74.301,45.506 75.276,44.531 X1.3@75.276,44.431 75.276,43.093 75.926,42.443 C30.1@75.926,42.393
NetD1_1: D1.1 R2.2 | length 1.8
  Top Layer w0.381: R2.2@34.624,73.267 D1.1@34.624,75.088
NetQ1_4: Q1.4 Q2.3 U2.4 | length 13.1
  Top Layer w0.254: Q2.3@17.076,71.544 17.198,71.544 19.659,71.544 ; 19.288,71.544 19.474,71.358 ; Q1.4@20.274,71.544 19.659,71.544 ; U2.4@25.214,67.399 19.944,67.399 19.474,67.869 19.474,71.358 ; 19.474,71.358 19.659,71.544
NetQ1_5: Q1.5 U2.1 U2.2 U2.3